# Altium PCB HIVE_BOARD - 10x10.PcbDoc (part 1 of 4) (continued)
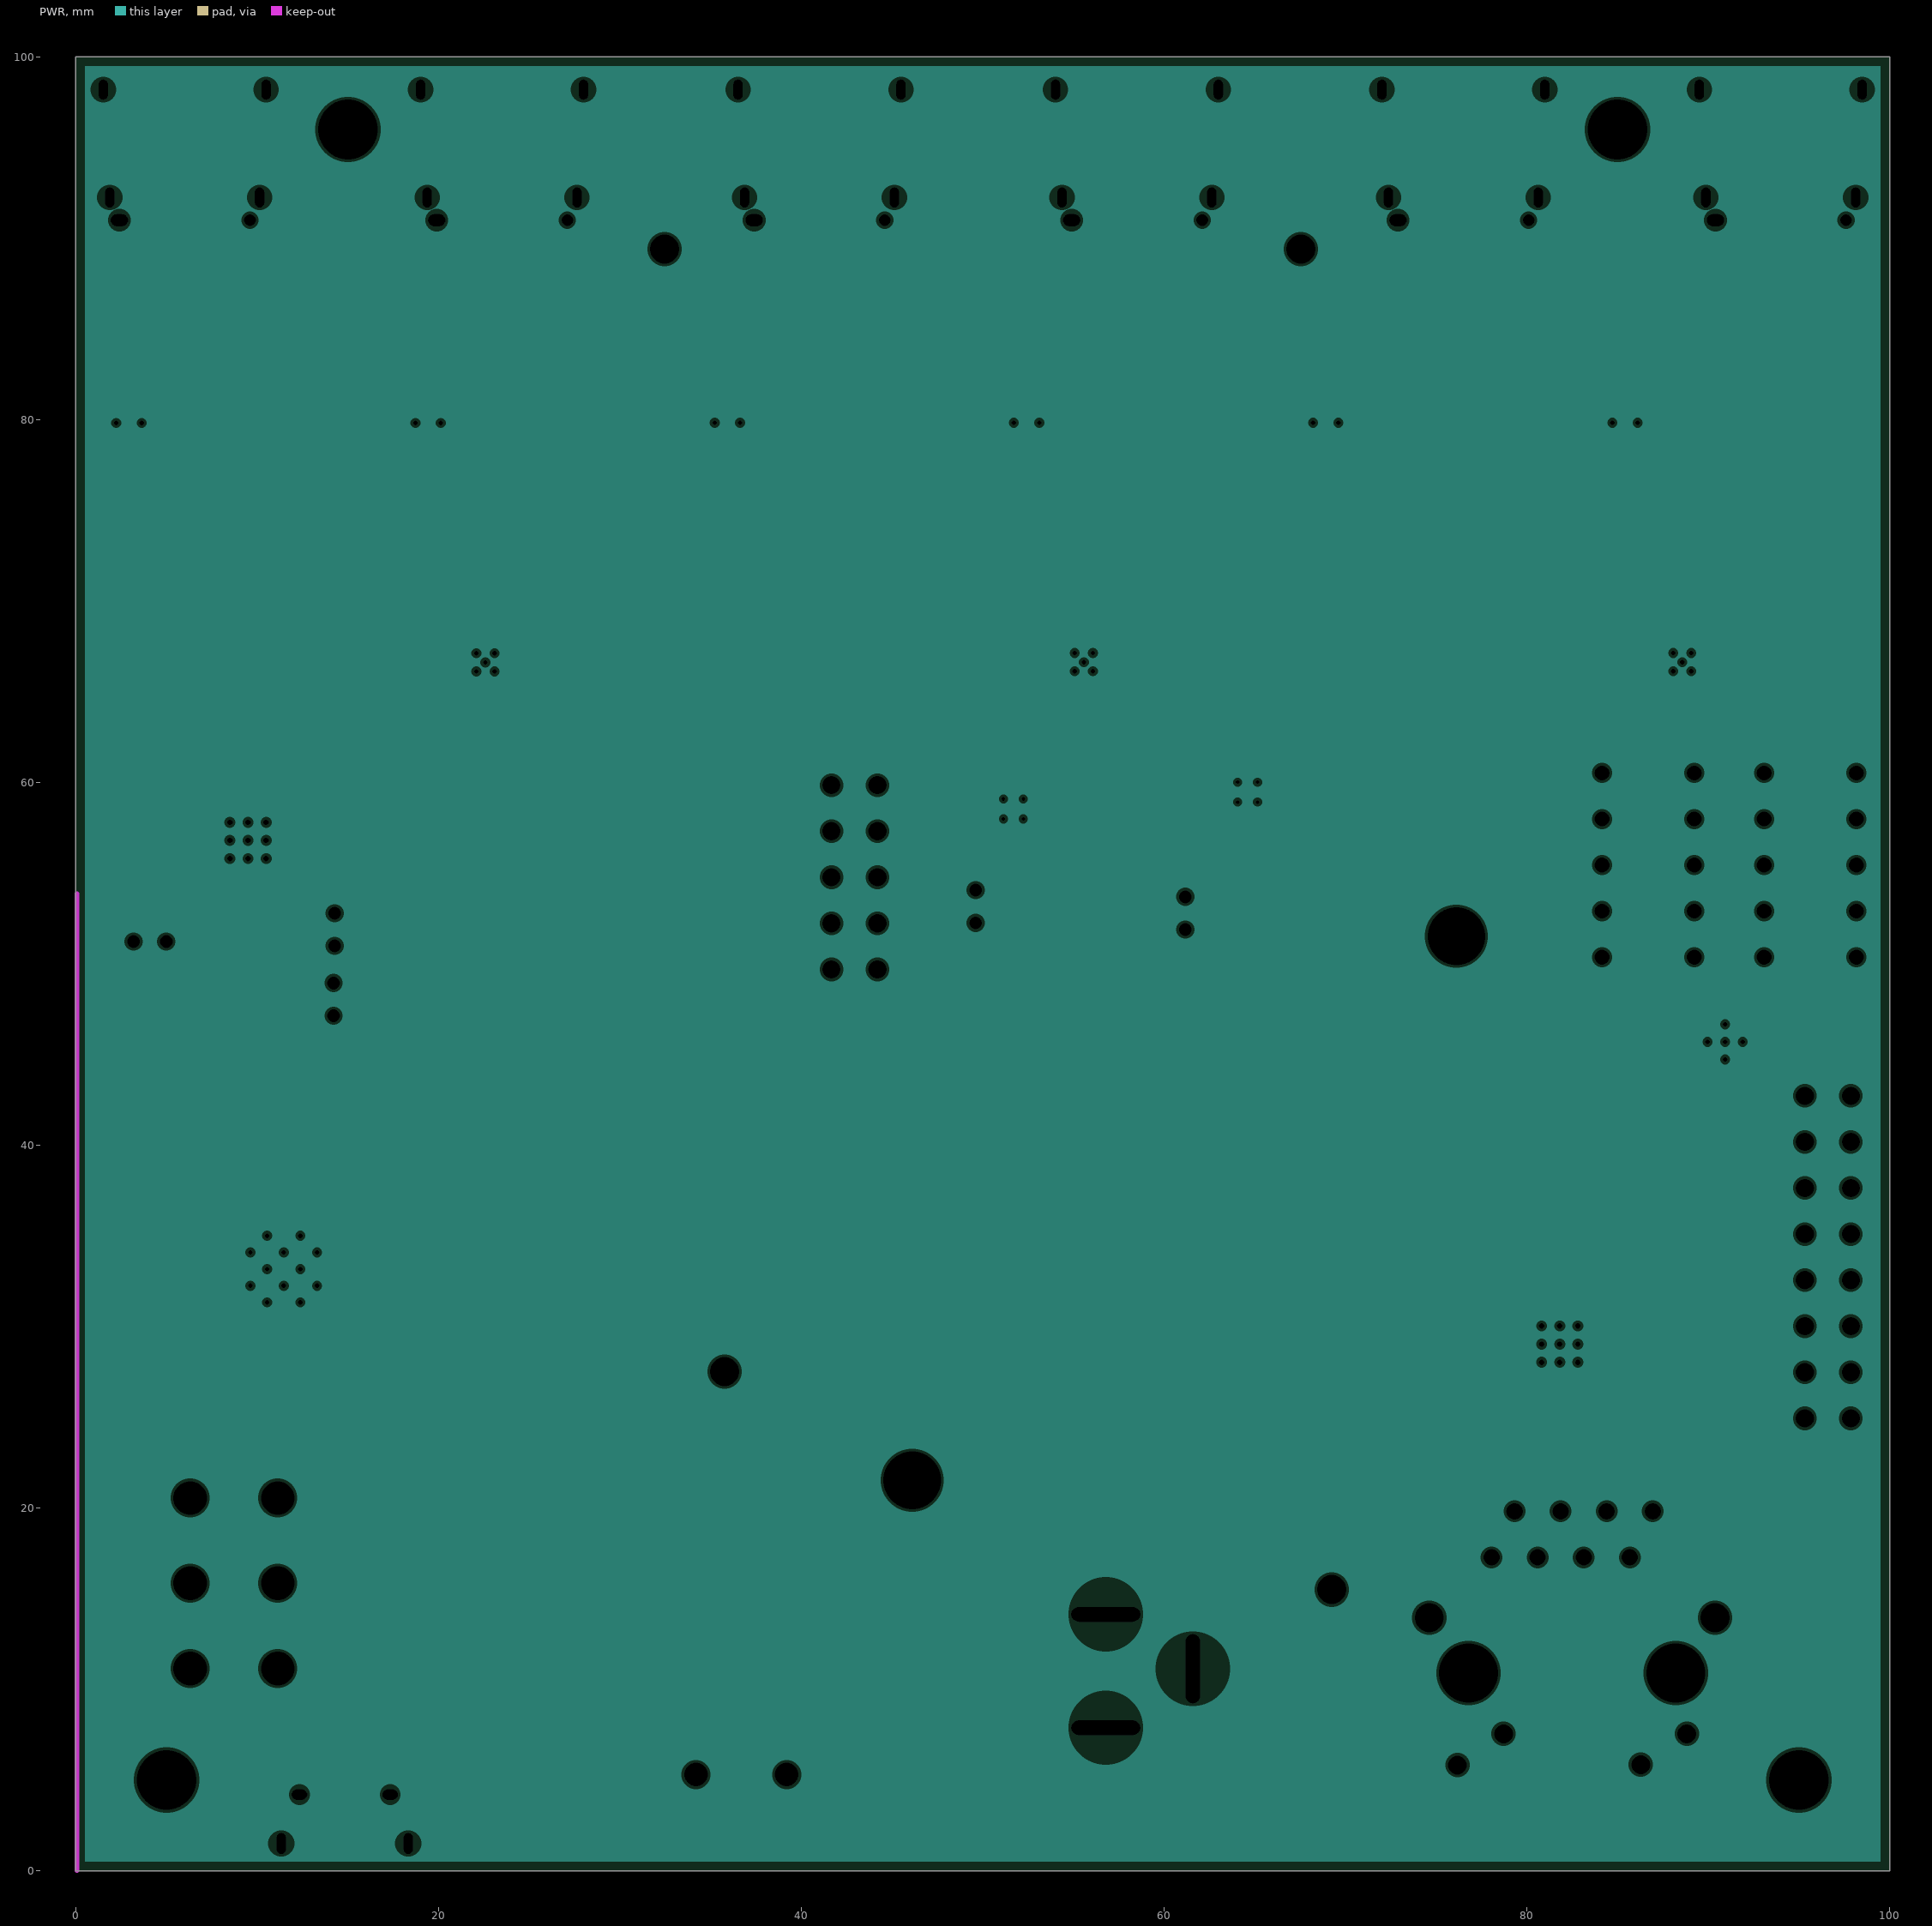
[diagram p4: PWR, clearances drawn from the general rule]
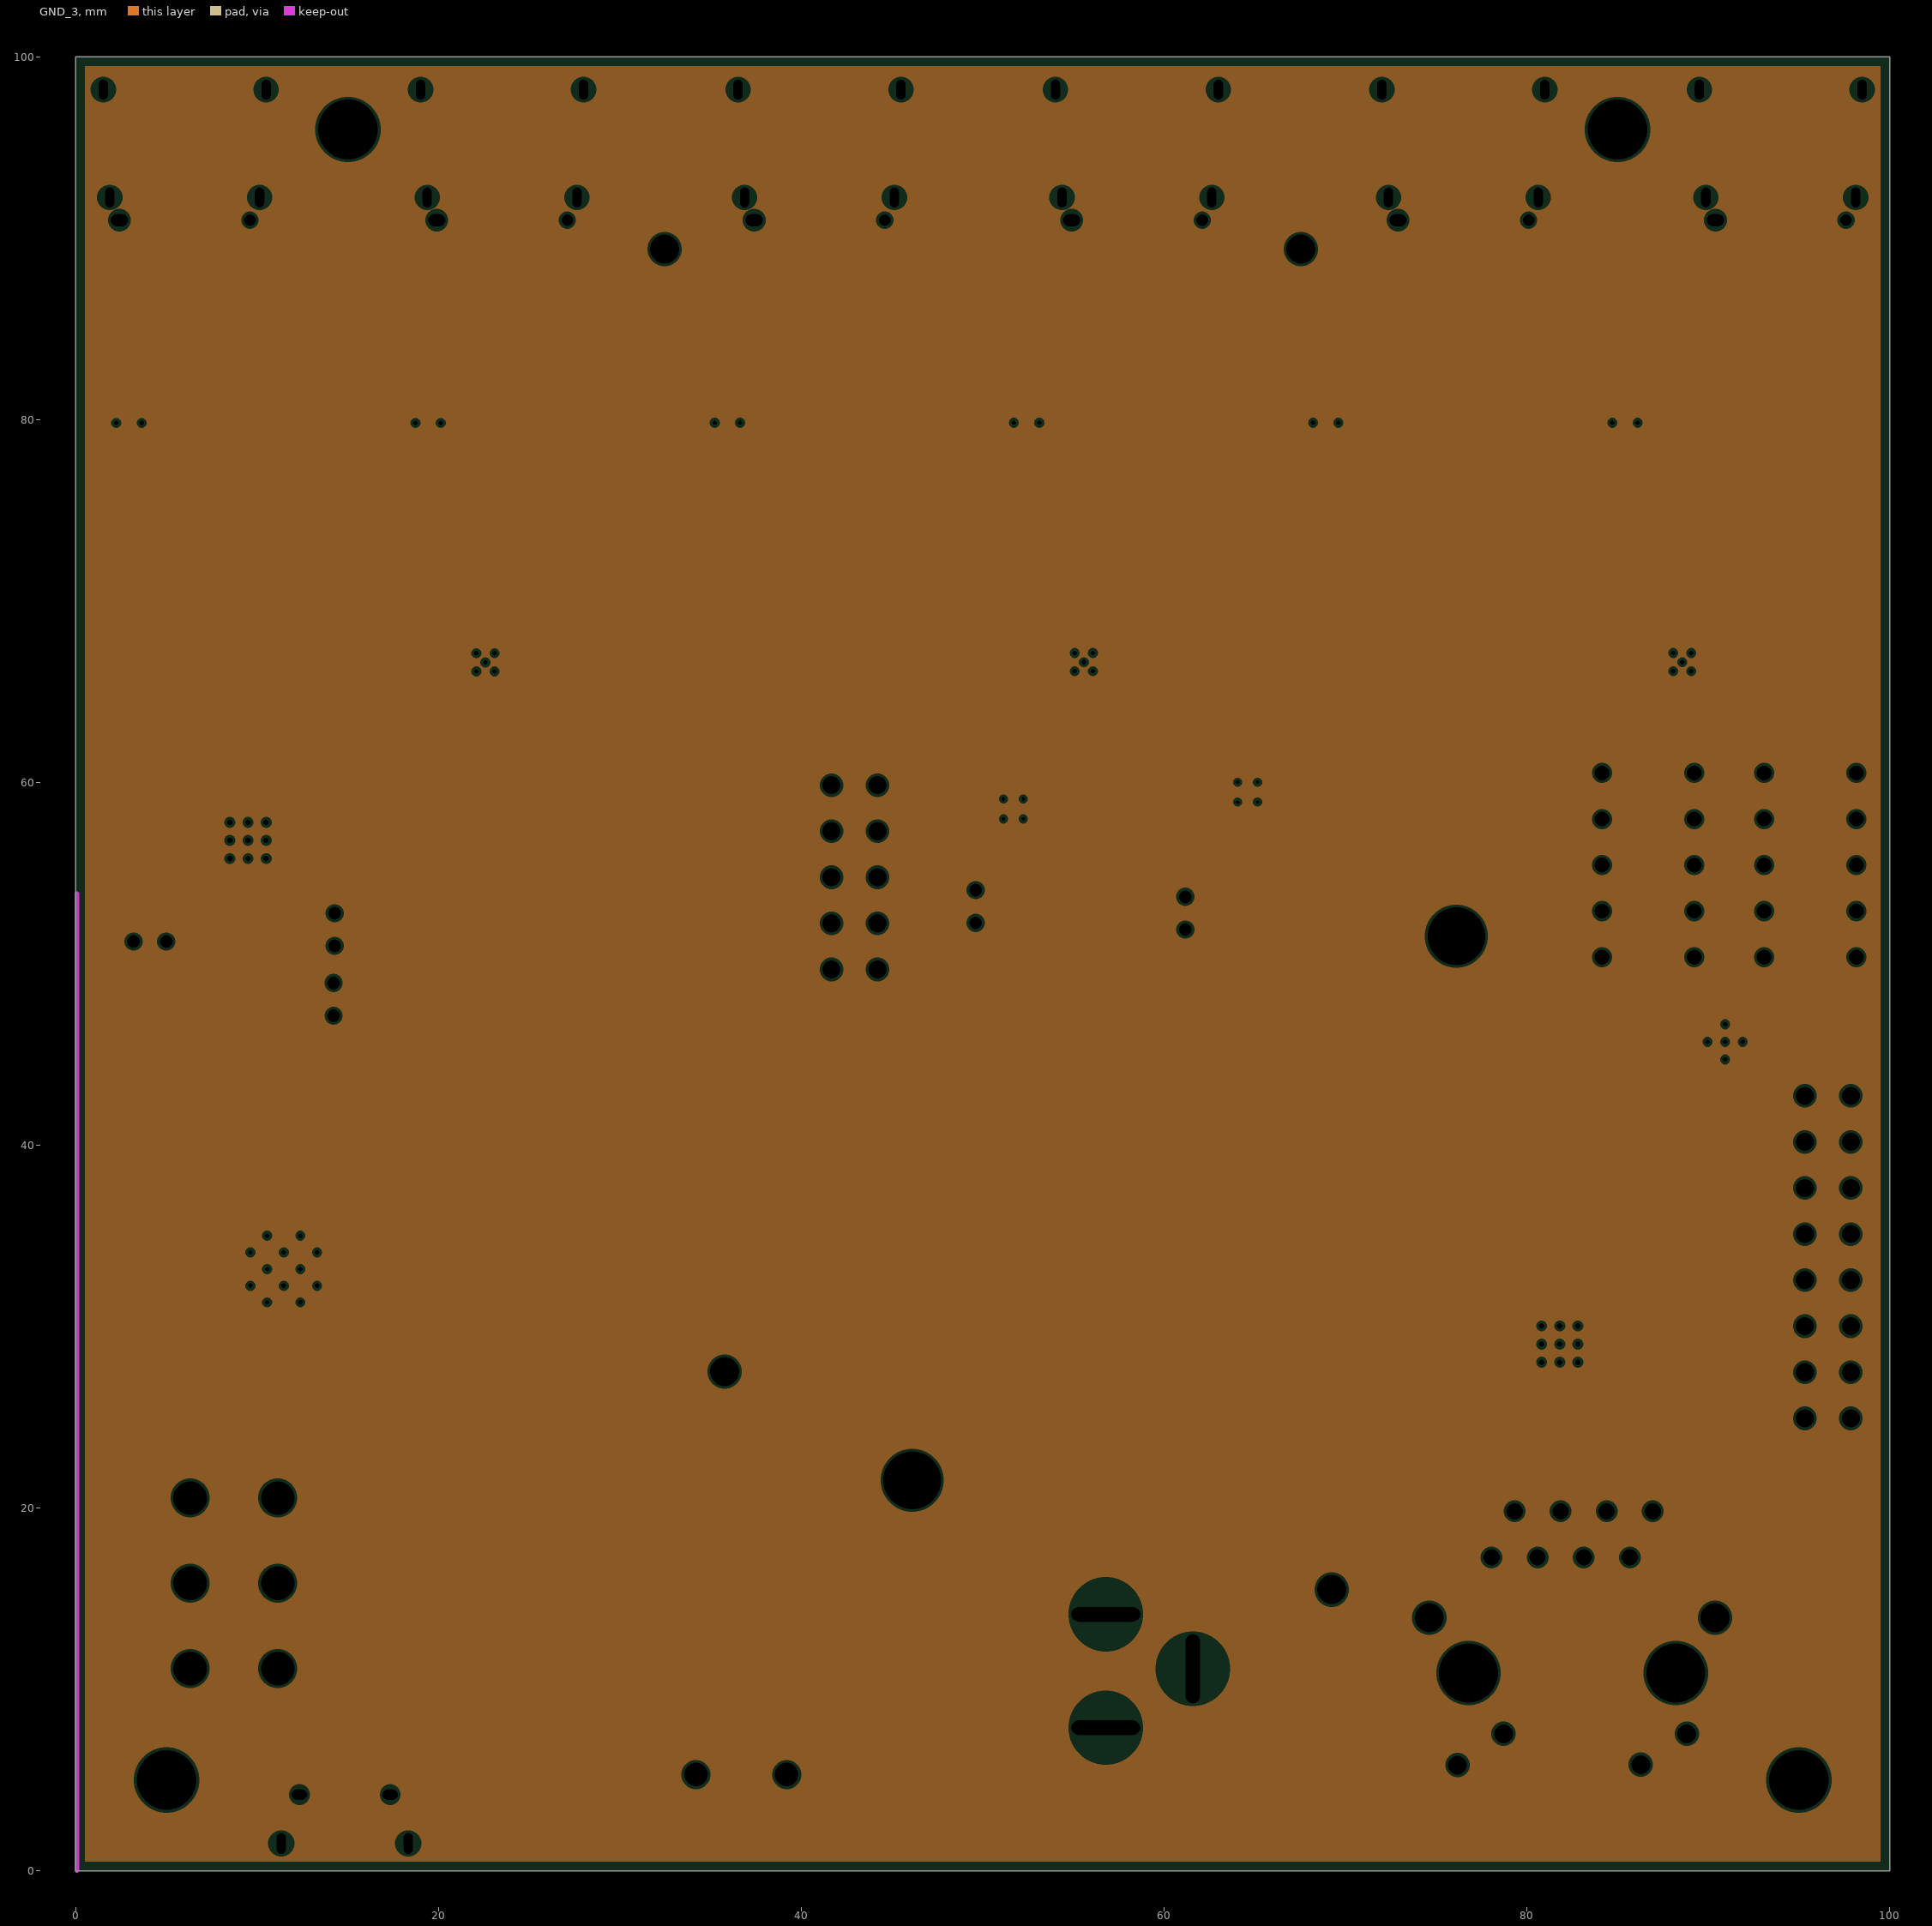
[diagram p5: GND_3, clearances drawn from the general rule]

## Layer stack, top to bottom
Top Solder: solder mask 0.0254, Solder Resist, Dk 4
Top: signal copper 0.035
Dielectric 1: prepreg 0.18, PP-006, Dk 4.29
GND_1: plane copper 0.035
Dielectric 2: core 0.2, Core-009, Dk 4.29
Signal_1: signal copper 0.035
Dielectric 3: prepreg 0.18, PP-006, Dk 4.29
GND_2: plane copper 0.035
Dielectric 4: core 0.2, Core-009, Dk 4.29
PWR: plane copper 0.035
Dielectric 5: prepreg 0.18, PP-006, Dk 4.29
Signal_2: signal copper 0.035
Dielectric 6: core 0.2, Core-009, Dk 4.29
GND_3: plane copper 0.035
Dielectric 7: prepreg 0.18, PP-006, Dk 4.29
Bottom: signal copper 0.035
Bottom Solder: solder mask 0.0254, Solder Resist, Dk 4

## Board outline
0,0 100,0 100,100 0,100

## Design rules (kind name [scope] priority, off if disabled: settings)
BoardOutlineClearance BoardOutlineClearance-Silk [(OnLayer('Bottom Overlay')) OR (OnLayer('Top Overlay'))] p1: gap=0 ignorepadtopadclearanceinfootprint=FALSE
BoardOutlineClearance BoardOutlineClearance-Fiducials [InComponentClass('Fiducials')] p2: gap=0 ignorepadtopadclearanceinfootprint=FALSE
BoardOutlineClearance BoardOutlineClearance-MouseBites [InComponentClass('MouseBites')] p3: gap=0.254 ignorepadtopadclearanceinfootprint=FALSE except(0: Arc-SplitContinuation Track-SplitContinuation SMDPad-SplitContinuation THPad-OutlineEdge THPad-CavityEdge THPad-CutoutEdge THPad-SplitBarrior THPad-SplitContinuation Via-SplitContinuation Fill-SplitContinuation Poly-SplitContinuation Region-OutlineEdge Region-CavityEdge Region-CutoutEdge Region-SplitBarrior Region-SplitContinuation Text-SplitContinuation; 0.508: Arc-OutlineEdge Track-OutlineEdge SMDPad-OutlineEdge Via-OutlineEdge Fill-OutlineEdge Poly-OutlineEdge Text-OutlineEdge)
BoardOutlineClearance [All] p4: gap=0.305 ignorepadtopadclearanceinfootprint=FALSE
Clearance Clearance_HOLE_2_PAD [IsVia and (NOT InAnyComponent) vs IsSMTPin Or IsThruPin  or IsVia] p1: gap=0 ignorepadtopadclearanceinfootprint=FALSE except(0.051: SMDPad-Via THPad-Via; 0.152: Via-Via)
Clearance Clearance_VIA_SAME [IsVia and (NOT InAnyComponent) vs IsVia and (NOT InAnyComponent)] p2: gap=0.132 ignorepadtopadclearanceinfootprint=FALSE
Clearance Clearance_VIA [IsVia AND (InAnyComponent) vs IsVia AND (InAnyComponent)] p3: gap=0.31 ignorepadtopadclearanceinfootprint=FALSE
Clearance Clearance_GEN [All] p4: gap=0.102 ignorepadtopadclearanceinfootprint=FALSE
ComponentClearance [All] p1: gap=0.102 collisioncheckmode=3 verticalgap=0.102 showdistances=FALSE
DiffPairsRouting DIFF_100_OHM [InDifferentialPairClass('DIFF_100')] p1: maxlimit=0.203 minlimit=0.127 mostfreqgap=0.203 toplayer_maxgap=0.127 toplayer_prefgap=0.127 toplayer_minwidth=0.127 toplayer_maxwidth=0.127 toplayer_prefwidth=0.127 midlayer1_mingap=0.203 midlayer1_minwidth=0.102 midlayer1_maxwidth=0.102 midlayer1_prefwidth=0.102 midlayer2_mingap=0.203 midlayer2_minwidth=0.102 midlayer2_maxwidth=0.102 midlayer2_prefwidth=0.102 bottomlayer_maxgap=0.127 bottomlayer_prefgap=0.127 bottomlayer_minwidth=0.127 bottomlayer_maxwidth=0.127 bottomlayer_prefwidth=0.127 maxuncoupledlength=12.7
DiffPairsRouting DIFF_90_OHM [InDifferentialPairClass('DIFF_90')] p2: maxlimit=0.178 minlimit=0.127 mostfreqgap=0.178 toplayer_maxgap=0.127 toplayer_prefgap=0.127 toplayer_minwidth=0.191 toplayer_maxwidth=0.191 toplayer_prefwidth=0.191 midlayer1_mingap=0.178 midlayer1_minwidth=0.127 midlayer1_maxwidth=0.127 midlayer1_prefwidth=0.127 midlayer2_mingap=0.178 midlayer2_minwidth=0.127 midlayer2_maxwidth=0.127 midlayer2_prefwidth=0.127 bottomlayer_maxgap=0.127 bottomlayer_prefgap=0.127 bottomlayer_minwidth=0.191 bottomlayer_maxwidth=0.191 bottomlayer_prefwidth=0.191 maxuncoupledlength=12.7
DiffPairsRouting DIFF_85_OHM [InDifferentialPairClass('DIFF_85')] p3: maxlimit=0.14 minlimit=0.127 mostfreqgap=0.14 toplayer_maxgap=0.127 toplayer_prefgap=0.127 toplayer_minwidth=0.216 toplayer_maxwidth=0.216 toplayer_prefwidth=0.216 midlayer1_mingap=0.14 midlayer1_minwidth=0.127 midlayer1_maxwidth=0.127 midlayer1_prefwidth=0.127 midlayer2_mingap=0.14 midlayer2_minwidth=0.127 midlayer2_maxwidth=0.127 midlayer2_prefwidth=0.127 bottomlayer_maxgap=0.127 bottomlayer_prefgap=0.127 bottomlayer_minwidth=0.216 bottomlayer_maxwidth=0.216 bottomlayer_prefwidth=0.216 maxuncoupledlength=12.7
HoleSize [All] p1: absolutevalues=TRUE maxlimit=6.5 minlimit=0.25 maxpercent=80.000 minpercent=20.000
HoleToHoleClearance HoleToHoleClearance_Via [All] p1: gap=0.203 allowstackedmicrovias=TRUE
MatchedLengths "LENGTH SYNC" [InNetClass('SYNC_FAN')] p1: tolerance=0.025 checknetsindiffpair=FALSE checkdiffpairvsdiffpair=TRUE checkxsignals=TRUE checkothers=TRUE
MatchedLengths "LENGTH CLK" [InNetClass('CLK_FAN')] p2: tolerance=0.025 checknetsindiffpair=FALSE checkdiffpairvsdiffpair=TRUE checkxsignals=TRUE checkothers=TRUE
MatchedLengths DiffMatching_WithinPair [InDifferentialPairClass('All Differential Pairs')] p3: tolerance=0.025 checknetsindiffpair=TRUE checkdiffpairvsdiffpair=FALSE checkxsignals=FALSE checkothers=FALSE
MinimumAnnularRing [All] p1: minimumring=0.152
MinimumSolderMaskSliver [All] p1: minsoldermaskwidth=0.102
PasteMaskExpansion [All] p1: expansion=-0.025
PlaneClearance [All] p1: clearance=0.152
PlaneConnect [All] p1: pad.planeconnectstyle=Relief pad.reliefexpansion=0.508 pad.reliefentries=4 pad.reliefconductorwidth=0.254 pad.reliefairgap=0.254 via.planeconnectstyle=Direct via.reliefexpansion=0.508 via.reliefentries=4 via.reliefconductorwidth=0.254 via.reliefairgap=0.254
PolygonConnect [All] p1: thpad.connectstyle=Relief thpad.reliefconductorwidth=0.254 thpad.reliefentries=4 thpad.polygonreliefangle="90 Angle" thpad.airgapwidth=0.254 smdpad.connectstyle=Direct smdpad.reliefconductorwidth=0.254 smdpad.reliefentries=4 smdpad.polygonreliefangle="90 Angle" smdpad.airgapwidth=0.254 via.connectstyle=Direct via.reliefconductorwidth=0.254 via.reliefentries=4 via.polygonreliefangle="90 Angle" via.airgapwidth=0.254
RoomDefinition CHAN_A [(InComponentClass('CHAN 0A + 1A')) AND NOT (HasFootprint('TVS_PWR_SMBJ5.0CA') OR HasFootprint('CON_USB_3.2_TypeC_12401598E4#2A')OR HasFootprint('TVS_DATA_DT1140-04LP-7'))] p1: confinementstyle=ConfineIn formatcopy=TRUE lockcomponents=FALSE outline 0.51,63.441 33.503,63.441 33.503,87.468 0.51,87.468
RoomDefinition CHAN_B [(InComponentClass('CHAN 0B + 1B')) AND NOT (HasFootprint('TVS_PWR_SMBJ5.0CA') OR HasFootprint('CON_USB_3.2_TypeC_12401598E4#2A')OR HasFootprint('TVS_DATA_DT1140-04LP-7'))] p2: confinementstyle=ConfineIn formatcopy=TRUE lockcomponents=FALSE outline 33.503,63.454 66.497,63.454 66.497,87.468 33.503,87.468
RoomDefinition CHAN_C [(InComponentClass('CHAN 0C + 1C')) AND NOT (HasFootprint('TVS_PWR_SMBJ5.0CA') OR HasFootprint('CON_USB_3.2_TypeC_12401598E4#2A')OR HasFootprint('TVS_DATA_DT1140-04LP-7'))] p3: confinementstyle=ConfineIn formatcopy=TRUE lockcomponents=FALSE outline 66.497,63.454 99.49,63.454 99.49,87.468 66.497,87.468
RoutingVias [All] p1: holewidth=0.25 width=0.55 viastyle="Through Hole" minholewidth=0.25 minwidth=0.55 maxholewidth=6.5 maxwidth=7.5
SilkToSilkClearance [All] p1: silktosilkclearance=0.025
SilkToSolderMaskClearance [IsPad] p1: minsilkscreentomaskgap=0.025 clearancetoexposedcopper=FALSE
SolderMaskExpansion [All] p1: expansion=0.07 istentingtop=FALSE
UnRoutedNet [All] p1: checkbadconnections=TRUE
Width Width_50_OHM [InNetClass('SE_50')] p1: maxlimit=0.305 minlimit=0.152 preferedwidth=0.305 toplayer_minwidth=0.305 midlayer1_maxwidth=0.152 midlayer1_prefwidth=0.152 midlayer2_maxwidth=0.152 midlayer2_prefwidth=0.152 bottomlayer_minwidth=0.305 minimp=50.000000 maximp=50.000000 favimp=50.000000
Width [All] p2: maxlimit=2.54 minlimit=0.102 preferedwidth=0.305 minimp=50.000000 maximp=50.000000 favimp=50.000000
19 further rules are at their usual default settings.

## Classes and differential pairs
net class SYNC_FAN: SYNC_0A_N SYNC_0A_P SYNC_0B_N SYNC_0B_P SYNC_0C_N SYNC_0C_P SYNC_1A_N SYNC_1A_P SYNC_1B_N SYNC_1B_P SYNC_1C_N SYNC_1C_P
net class SE_50: CHAN_DET_0A CHAN_DET_0B CHAN_DET_0C CHAN_DET_1A CHAN_DET_1B CHAN_DET_1C CHAN_EN_0A CHAN_EN_0B CHAN_EN_0C CHAN_EN_1A CHAN_EN_1B CHAN_EN_1C CHAN_IRQ_0A CHAN_IRQ_0B CHAN_IRQ_0C CHAN_IRQ_1A CHAN_IRQ_1B CHAN_IRQ_1C CHAN_RESET_0A CHAN_RESET_0B CHAN_RESET_0C CHAN_RESET_1A CHAN_RESET_1B CHAN_RESET_1C FTDI_EECLK FTDI_EECS FTDI_EEDATA I2C_MISC_SCL I2C_MISC_SDA IMU_INT1 IMU_INT2 IO_EXP_INT# MCU_OSC_IN MEZ_I2C_SCL MEZ_I2C_SDA MEZ_SPI_MISO MEZ_SPI_MOSI MEZ_SPI_SCK MEZ_UART_Rx MEZ_UART_Tx MODE0 MODE1 MODE2 NetC94_1 NetC94_2 NetR18_2 NetR19_2 NetR45_1 NetR47_2 NetR48_2 NetR165_1 NetR167_1 NetR169_1 NetR170_1 NetTP12_1 NetU1_1 NetU1_22 NetU1_29 NetU1_37 NetU1_67 NetU1_136 NetU1_138 NetU1_139 NetU4_5 NetU5_34 NetU5_35 NetU9_24 PHY_REFCLK PHYAD0 SPI_CLK_A SPI_CLK_B SPI_CLK_C SPI_MISO_0A SPI_MISO_0B SPI_MISO_0C SPI_MISO_1A SPI_MISO_1B SPI_MISO_1C SPI_MISO_A SPI_MISO_B SPI_MISO_C SPI_MOSI_A SPI_MOSI_B SPI_MOSI_C SPI_nCS_0A SPI_nCS_0B SPI_nCS_0C SPI_nCS_1A SPI_nCS_1B SPI_nCS_1C
net class POWER: 3V3 3V3_CH 3V3_CL 3V3_DEB 3V3_ETH 3V3_WR 5V 5V_CONN 5V_USB GND NetD3_1 NetF1_1
net class POW_MCU: 3V3 VCAP VDDA VDDLDO
net class NETS_MCU: 3V3 5V CH_CL_PWR_EN CHAN_DET_0A CHAN_DET_0B CHAN_DET_0C CHAN_DET_1A CHAN_DET_1B CHAN_DET_1C CHAN_EN_0A CHAN_EN_0B CHAN_EN_0C CHAN_EN_1A CHAN_EN_1B CHAN_EN_1C CHAN_IRQ_0A CHAN_IRQ_0B CHAN_IRQ_0C CHAN_IRQ_1A CHAN_IRQ_1B CHAN_IRQ_1C CHAN_RESET_0A CHAN_RESET_0B CHAN_RESET_0C CHAN_RESET_1A CHAN_RESET_1B CHAN_RESET_1C CLK_OE_0# CLK_OE_1# DEB_PWR_EN ETH_PWR_EN GND I2C_MISC_SCL I2C_MISC_SDA IMU_INT1 IMU_INT2 IO_EXP_INT# MCU_LED_0 MCU_LED_1 MCU_LED_2 MCU_LED_B MCU_LED_G MCU_LED_HB MCU_LED_R MCU_OSC_EN MCU_OSC_IN MCU_RST# MEZ_ADC1_N MEZ_ADC1_P MEZ_I2C_SCL MEZ_I2C_SDA MEZ_SPI_MISO MEZ_SPI_MOSI MEZ_SPI_SCK MEZ_UART_Rx MEZ_UART_Tx NetC4_1 NetD1_1 NetD1_2 NetD1_4 NetD22_A NetD23_A NetD24_A NetD25_A NetJ7_2 NetJ7_4 NetJ7_6 NetJ7_8 NetJ7_10 NetR9_2 NetR16_2 NetR18_2 NetR19_2 NetR38_2 NetR45_1 NetR47_2 NetR48_2 NetR65_1 NetR116_2 NetR130_2 NetR161_2 NetR162_2 NetR163_1 NetR165_1 NetR165_2 NetR166_1 NetR167_1 NetR167_2 NetR168_2 NetR169_1 NetR169_2 NetR170_1 NetR170_2 NetR171_1 NetR172_1 NetR173_1 NetTP12_1 NetU1_1 NetU1_15 NetU1_22 NetU1_26 NetU1_29 NetU1_37 NetU1_67 NetU1_76 NetU1_77 NetU1_136 NetU1_138 NetU1_139 SPI_CLK_A SPI_CLK_B SPI_CLK_C SPI_MISO_A SPI_MISO_B SPI_MISO_C SPI_MOSI_A SPI_MOSI_B SPI_MOSI_C SPI_nCS_0A SPI_nCS_0B SPI_nCS_0C SPI_nCS_1A SPI_nCS_1B SPI_nCS_1C USB_PWR_DET# USB_STM_D_N USB_STM_D_P VCAP VDDA VDDLDO WR_PWR_EN
net class DIFF_100: ETH_RX_N ETH_RX_P ETH_TX_N ETH_TX_P
net class DIFF_90: 12M_X_N 12M_X_P USB_D_N USB_D_P USB_DEBUG_N USB_DEBUG_P USB_STM_D_N USB_STM_D_P
net class CLK_FAN: CLK_0A_N CLK_0A_P CLK_0B_N CLK_0B_P CLK_0C_N CLK_0C_P CLK_1A_N CLK_1A_P CLK_1B_N CLK_1B_P CLK_1C_N CLK_1C_P
net class CHAN_SIGNALS: CHAN_DET_0A CHAN_DET_0B CHAN_DET_0C CHAN_DET_1A CHAN_DET_1B CHAN_DET_1C CHAN_EN_0A CHAN_EN_0B CHAN_EN_0C CHAN_EN_1A CHAN_EN_1B CHAN_EN_1C CHAN_IRQ_0A CHAN_IRQ_0B CHAN_IRQ_0C CHAN_IRQ_1A CHAN_IRQ_1B CHAN_IRQ_1C CHAN_RESET_0A CHAN_RESET_0B CHAN_RESET_0C CHAN_RESET_1A CHAN_RESET_1B CHAN_RESET_1C CLK_0A_N CLK_0A_P CLK_0B_N CLK_0B_P CLK_0C_N CLK_0C_P CLK_1A_N CLK_1A_P CLK_1B_N CLK_1B_P CLK_1C_N CLK_1C_P SPI_CLK_A SPI_CLK_B SPI_CLK_C SPI_MISO_A SPI_MISO_B SPI_MISO_C SPI_MOSI_A SPI_MOSI_B SPI_MOSI_C SPI_nCS_0A SPI_nCS_0B SPI_nCS_0C SPI_nCS_1A SPI_nCS_1B SPI_nCS_1C SYNC_0A_N SYNC_0A_P SYNC_0B_N SYNC_0B_P SYNC_0C_N SYNC_0C_P SYNC_1A_N SYNC_1A_P SYNC_1B_N SYNC_1B_P SYNC_1C_N SYNC_1C_P
net class CHAN_A: CHAN_DET_0A CHAN_DET_0B CHAN_DET_0C CHAN_DET_1A CHAN_DET_1B CHAN_DET_1C CHAN_EN_0A CHAN_EN_0B CHAN_EN_0C CHAN_EN_1A CHAN_EN_1B CHAN_EN_1C CHAN_IRQ_0A CHAN_IRQ_0B CHAN_IRQ_0C CHAN_IRQ_1A CHAN_IRQ_1B CHAN_IRQ_1C CHAN_RESET_0A CHAN_RESET_0B CHAN_RESET_0C CHAN_RESET_1A CHAN_RESET_1B CHAN_RESET_1C CLK_0A_N CLK_0A_P CLK_0B_N CLK_0B_P CLK_0C_N CLK_0C_P CLK_1A_N CLK_1A_P CLK_1B_N CLK_1B_P CLK_1C_N CLK_1C_P SPI_CLK_A SPI_CLK_B SPI_CLK_C SPI_MISO_A SPI_MISO_B SPI_MISO_C SPI_MOSI_A SPI_MOSI_B SPI_MOSI_C SPI_nCS_0A SPI_nCS_0B SPI_nCS_0C SPI_nCS_1A SPI_nCS_1B SPI_nCS_1C SYNC_0A_N SYNC_0A_P SYNC_0B_N SYNC_0B_P SYNC_0C_N SYNC_0C_P SYNC_1A_N SYNC_1A_P SYNC_1B_N SYNC_1B_P SYNC_1C_N SYNC_1C_P
component class CHAN_1A: C111A C120A C121A C122A C124A C125A C126A C127A C133A D19A D20A Q4A R110A R112A R117A R118A R123A R127A R128A TP7A U19A U20A U21A U22A U25A U29A
component class CHAN_0A: C108A C109A C110A C114A C115A C128A C139A C140A C141A D14A D17A Q3A R77A R93A R94A R95A R97A R115A R133A TP6A U10A U11A U15A U23A U27A U28A
component class "CHAN 0B + 1B": C108B C109B C110B C111B C113B C114B C115B C117B C118B C119B C120B C121B C122B C124B C125B C126B C127B C128B C133B C139B C140B C141B C145B C146B D8B D9B D10B D11B D14B D15B D16B D17B D18B D19B D20B D21B J4B J5B Q3B Q4B Q7B Q8B R77B R93B R94B R95B R97B R99B R100B R101B R102B R103B R104B R105B R106B R107B R108B R110B R111B R112B R113B R115B R117B R118B R119B R123B R124B R127B R128B R133B R151B R152B R154B R155B TP6B TP7B U10B U11B U15B U16B U17B U18B U19B U20B U21B U22B U23B U25B U27B U28B U29B U34B U35B
differential pair class DIFF_100: 32K_X CLK_0A CLK_0B CLK_0C CLK_1A CLK_1B CLK_1C
differential pair class DIFF_90: USB_D
differential pair class DIFF_85: BB_CLK_0A BB_CLK_0B BB_CLK_0C BB_CLK_1A BB_CLK_1B BB_CLK_1C BB_SPI_CLK_0A BB_SPI_CLK_0B BB_SPI_CLK_0C BB_SPI_CLK_1A BB_SPI_CLK_1B BB_SPI_CLK_1C BB_SPI_MISO_0A BB_SPI_MISO_0B BB_SPI_MISO_0C BB_SPI_MISO_1A BB_SPI_MISO_1B BB_SPI_MISO_1C BB_SPI_MOSI_0A BB_SPI_MOSI_0B BB_SPI_MOSI_0C BB_SPI_MOSI_1A BB_SPI_MOSI_1B BB_SPI_MOSI_1C SYNC_0A SYNC_0B SYNC_0C SYNC_1A SYNC_1B SYNC_1C
channel class HIVE_BOARD_CHANNEL_HW: "CHAN 0A + 1A" "CHAN 0B + 1B" "CHAN 0C + 1C"
component class WIRELESS: C62 C63 C64 C66 C67 C68 C97 D13 Q5 Q6 R38 R39 R40 R46 R59 R63 R91 R92 R132 S1 U5 X3
component class USB: C38 C41 C42 C43 C44 C45 C46 C47 C48 C49 C86 R4 R6 R7 R16 R17 R20 R29 R34 R35 R36 R52 TP8 TP9 TP10 U9 X2
component class TOP: D7 J1 J2 J3 R30
component class POWER: C26 C27 C32 C33 C35 C36 C37 C76 C85 C96 C112 C116 C129 C134 C135 C136 C137 C138 C147 D2 D3 D4 D5 D6 F1 Q1 Q2 R10 R11 R12 R13 R14 R15 R21 R22 R24 R25 R26 R96 R98 R109 R120 R125 S4 S5 S6 TP1 TP2 TP3 TP4 TP5 TP13 TP14 TP15 TP16 U2 U12 U14 U24 U26 U30
component class MISC: C77 C78 C142 C143 C148 R27 R28 R114 R121 R131 R134 R135 R136 R137 R138 R139 R140 R141 R142 R143 R144 R145 R146 R147 R148 R149 R153 S7 U3 U31 U32 U33
component class MCU: C1 C2 C3 C4 C5 C6 C7 C8 C9 C10 C11 C12 C13 C14 C15 C16 C17 C18 C19 C20 C21 C22 C23 C24 C25 C28 C29 C30 C31 C123 D1 D22 D23 D24 D25 HS1 J8 L1 R1 R2 R3 R5 R8 R9 R23 R33 R64 R116 R122 R129 R130 R161 R162 R163 R165 R166 R167 R168 R169 R170 R171 R172 R173 S3 U1 X4
component class HIVE_BOARD_TITLE: FID1 FID2 FID3 MTH1 MTH2 MTH3 MTH4
component class ETHERNET: C34 C39 C40 C50 C51 C52 C53 C54 C56 C59 C60 C61 C65 D12 J6 J11 L3 R18 R19 R41 R42 R43 R44 R45 R47 R48 R49 R50 R51 R53 R58 R60 R61 R73 R75 R76 R78 R156 R157 R158 R159 R160 U4 X1
component class DEBUG: C55 C57 C58 C69 C70 C71 C72 C73 C74 C75 C79 C80 C81 C82 C83 C84 C90 C91 J7 J10 J12 J13 J15 J17 L4 L6 R31 R32 R37 R54 R55 R56 R57 R62 R65 R66 R67 R68 R69 R70 R71 R72 R74 R79 R126 S2 U6 U13 Y3
component class "CLOCK GENERATION": C87 C88 C89 C92 C93 C94 C95 C98 C99 C100 C101 C102 C103 C104 C105 C106 C107 C130 C131 C132 R80 R81 R82 R83 R84 R85 R86 R87 R88 R89 R90 TP11 TP12 U7 U8 Y1
component class "CHAN 0C + 1C": C108C C109C C110C C111C C113C C114C C115C C117C C118C C119C C120C C121C C122C C124C C125C C126C C127C C128C C133C C139C C140C C141C C145C C146C D8C D9C D10C D11C D14C D15C D16C D17C D18C D19C D20C D21C J4C J5C Q3C Q4C Q7C Q8C R77C R93C R94C R95C R97C R99C R100C R101C R102C R103C R104C R105C R106C R107C R108C R110C R111C R112C R113C R115C R117C R118C R119C R123C R124C R127C R128C R133C R151C R152C R154C R155C TP6C TP7C U10C U11C U15C U16C U17C U18C U19C U20C U21C U22C U23C U25C U27C U28C U29C U34C U35C
component class "CHAN 0A + 1A": C108A C109A C110A C111A C113A C114A C115A C117A C118A C119A C120A C121A C122A C124A C125A C126A C127A C128A C133A C139A C140A C141A C145A C146A D8A D9A D10A D11A D14A D15A D16A D17A D18A D19A D20A D21A J4A J5A Q3A Q4A Q7A Q8A R77A R93A R94A R95A R97A R99A R100A R101A R102A R103A R104A R105A R106A R107A R108A R110A R111A R112A R113A R115A R117A R118A R119A R123A R124A R127A R128A R133A R151A R152A R154A R155A TP6A TP7A U10A U11A U15A U16A U17A U18A U19A U20A U21A U22A U23A U25A U27A U28A U29A U34A U35A
differential pair 12M_X: +12M_X_P -12M_X_N
differential pair MEZ_ADC1: +MEZ_ADC1_P -MEZ_ADC1_N
differential pair USB_STM_D: +USB_STM_D_P -USB_STM_D_N
differential pair USB_D: +USB_D_P -USB_D_N
differential pair USB_DEBUG: +USB_DEBUG_P -USB_DEBUG_N
differential pair SYNC_1C: +SYNC_1C_P -SYNC_1C_N
differential pair SYNC_1B: +SYNC_1B_P -SYNC_1B_N
differential pair SYNC_1A: +SYNC_1A_P -SYNC_1A_N
differential pair SYNC_0C: +SYNC_0C_P -SYNC_0C_N
differential pair SYNC_0B: +SYNC_0B_P -SYNC_0B_N
differential pair SYNC_0A: +SYNC_0A_P -SYNC_0A_N
differential pair ETH_TX: +ETH_TX_P -ETH_TX_N
differential pair ETH_RX: +ETH_RX_P -ETH_RX_N